# KiCad board JL.kicad_pcb (continued)
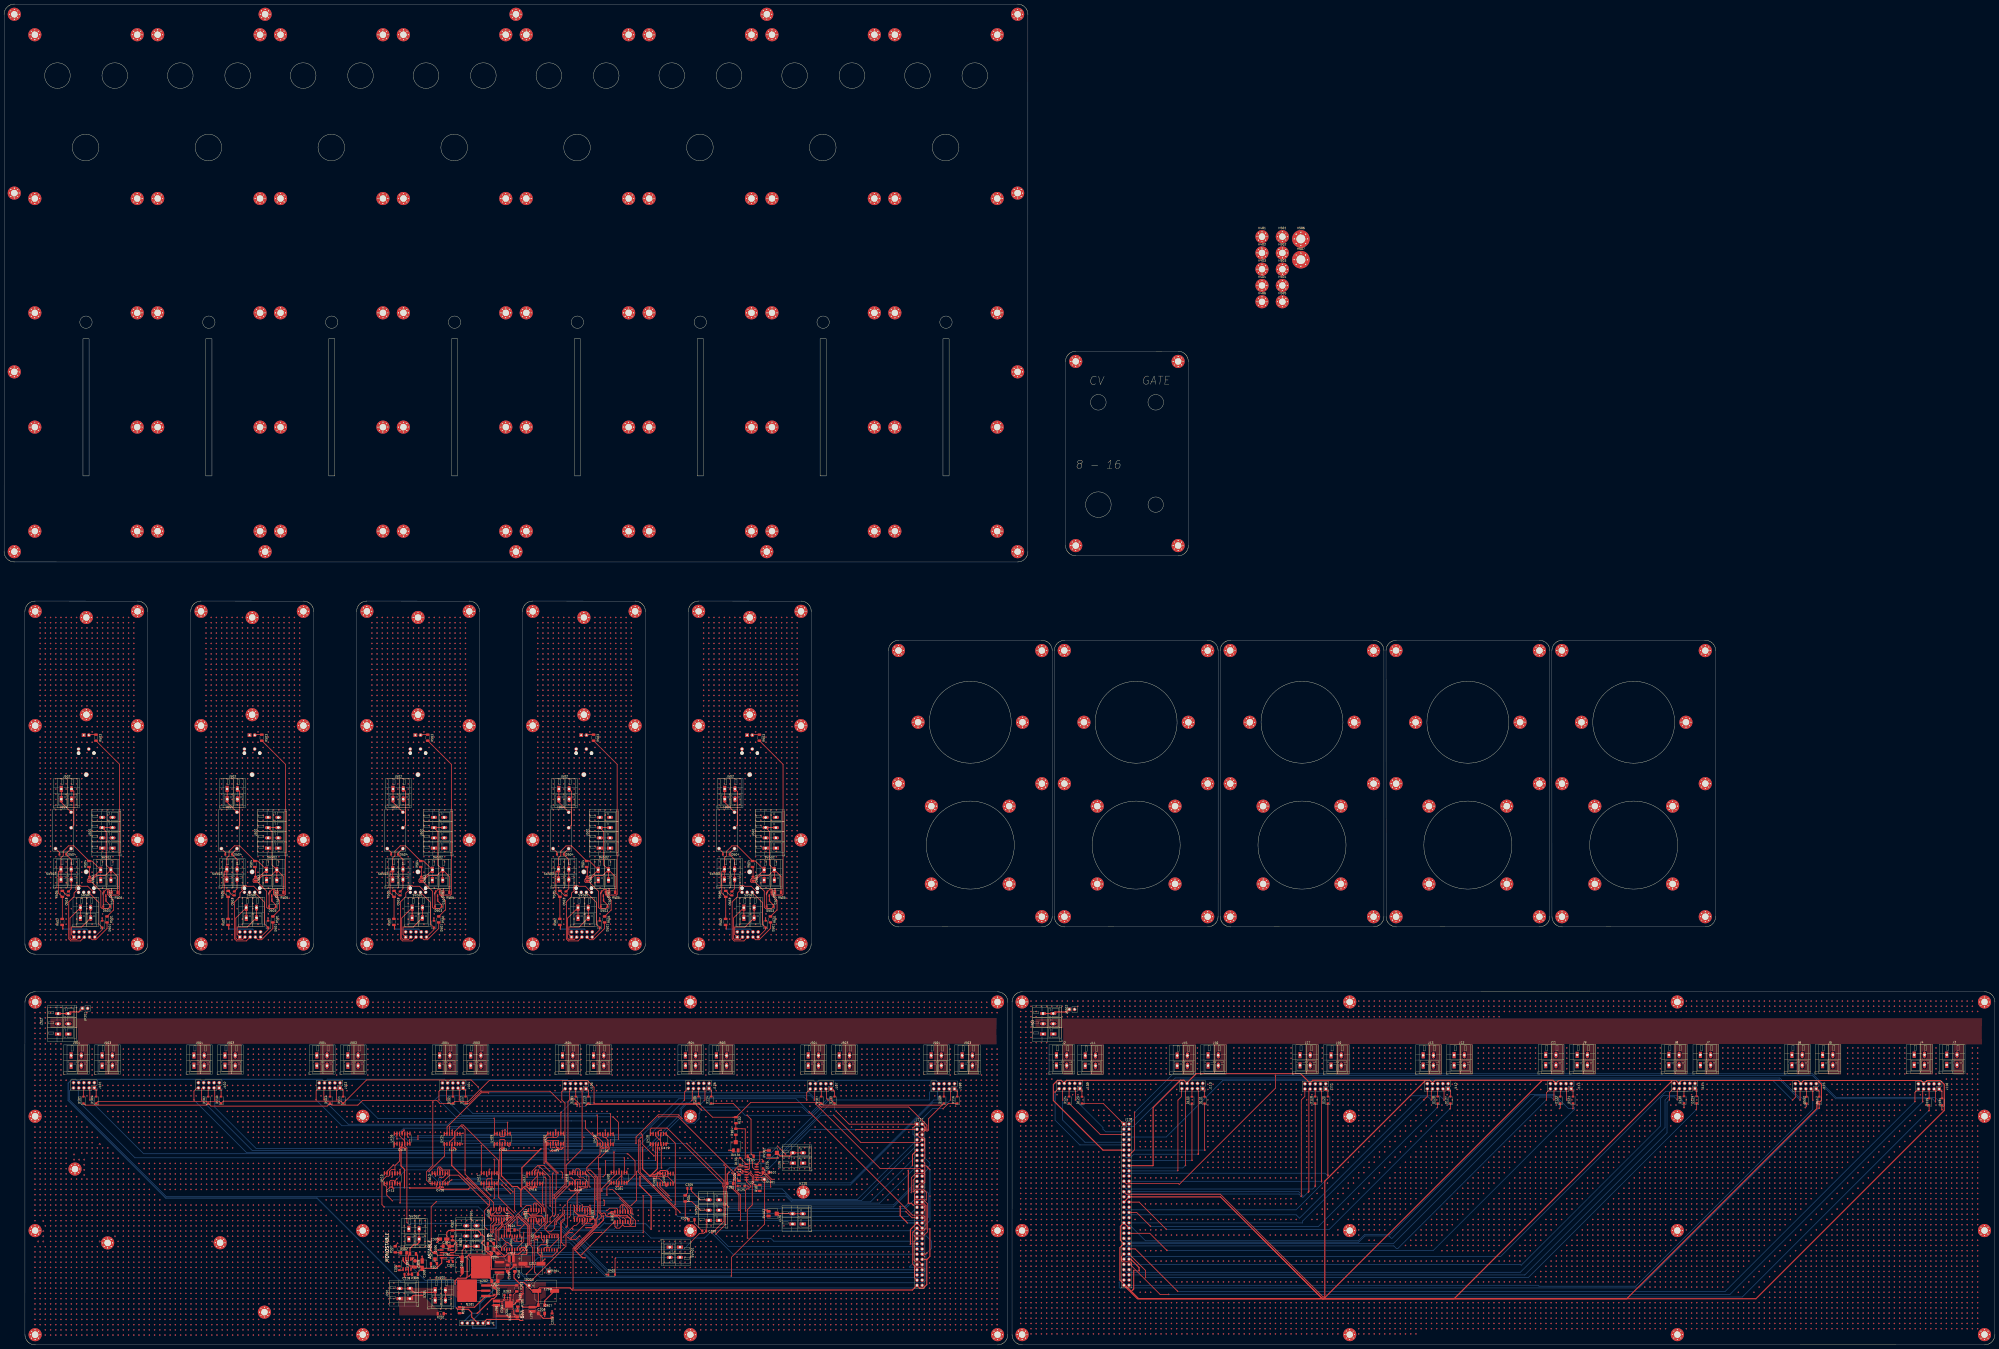
[diagram p0: board, top side]
## Routing (per net, layer and track width the routed paths; a pad name or vN(x,y) marks a point on that pad's centre or on a via; arc(x,y) is an arc through that point) (continued)
_RELAYS_0: length 71.7
  Top w0.349: R501#4.1 374.28,203.42 368.76,197.9 367.02,197.9 J501#2.7 ; R501#2.1 50.28,203.42 44.76,197.9 43.02,197.9 J501#4.7 ; R501#3.1 131.28,203.42 125.76,197.9 124.02,197.9 J501.7 ; J501#3.7 286.02,197.9 287.76,197.9 293.28,203.42 R501#5.1 ; J501#5.7 205.02,197.9 206.76,197.9 212.28,203.42 R501.1
CHAN_0: length 31.7
  Top w0.349: v4(317.12,81.43) 319.84,81.43 321.6,79.67 321.6,78.68 ; 301.64,82.65 301.64,79.18 ; 301.64,82.65 301.64,84.13 ; 301.64,82.65 301.39,82.65 299.1,80.36 299.1,79.18
  Bottom w0.349: v4(317.12,81.43) 302.59,81.43 v4(301.64,82.38)
CHAN_1: length 99.8
  Top w0.349: v4(280.77,74.76) 279.83,73.82 279.83,66.13 279.83,68.11 v4(279.87,68.15) ; v4(291.89,75.15) 291.89,76.37 299.05,83.52 U408.12 ; 299.1,84.13 299.1,83.51 ; v4(248.47,74.76) v4(245.12,78.11) 242.1,81.13 242.1,100.13 242.37,100.4 244.12,100.4 244.64,99.88 244.64,98.18
  Bottom w0.349: v4(248.47,74.76) v4(280.77,74.76) 281.16,75.15 v4(291.89,75.15)
CHAN_2: length 109.7
  Top w0.3: 242.1,103.13 242.1,102.15 242.5,101.75 244.24,101.75 244.64,102.15 244.64,103.13
  Top w0.349: 244.64,103.13 244.62,103.15 v4(244.62,105.11) ; v4(278.62,62.65) 278.62,61.24 278.56,61.18 ; v4(288.37,63.65) 288.37,81.29 284.59,85.06 284.59,86.65 291.04,93.1 291.04,96.36 291.22,96.36 292.36,97.49 U410.3 292.36,98.98 289.99,101.34 289.27,101.34 287.37,103.24 v4(287.37,103.65) 287.39,103.65 ; 292.35,98.18 292.35,98.7
  Bottom w0.349: v4(278.62,62.65) 278.84,62.88 287.59,62.88 v4(288.37,63.65) ; v4(287.37,103.65) 246.07,103.65 v4(244.62,105.11)
CHAN_3: length 63.9
  Top w0.349: U410.10 294.9,101.98 294.24,101.32 293.64,101.32 ; 294.89,97.66 294.89,100.07 293.64,101.32 ; 293.64,101.32 293.01,101.32 292.36,101.98 U410.12 ; 282.37,61.18 v4(282.37,59.15) ; 294.89,102.57 294.89,103.13 ; 292.35,102.61 292.35,103.13 ; U410.5 294.9,97.28 295.46,96.72 295.46,95.74 291.27,91.56 290.34,91.56 290.34,85.83 290.52,85.66 290.52,64.53 291.87,63.18 291.87,62.6 290.52,61.25
  Bottom w0.349: v3(290.57,61.25) 290.57,59.45 289.49,58.38 283.14,58.38 v4(282.37,59.15)
CHAN_4: length 106.8
  Top w0.349: v4(283.62,64.43) 283.64,64.45 283.64,66.13 ; v4(235.87,56.4) 234.56,57.71 234.56,65.58 237.14,68.16 237.14,70.57 226.28,81.43 v4(226.04,81.43) ; 235.6,78.93 235.6,80.63 236.12,81.15 238.12,81.15 ; 238.12,81.15 238.14,81.17 238.14,83.88 ; 238.12,81.15 238.14,81.13 238.14,78.93 ; v4(264.87,56.88) 264.87,57.31 270.62,63.06 v4(270.62,63.65)
  Bottom w0.349: 264.37,56.93 246.64,56.93 246.12,56.4 v4(235.87,56.4) ; 264.37,56.93 264.84,56.93 264.87,56.9 ; 264.37,56.93 264.82,56.93 v4(264.87,56.88) ; v4(226.04,81.43) v4(238.12,81.43) ; v4(270.62,63.65) 271.39,64.43 v4(283.62,64.43)
CHAN_5: length 94.8
  Top w0.3: 268.12,99.9 265.45,99.9 264.85,99.31 264.85,89.72 270.46,84.12 v4(270.46,83.92)
  Top w0.349: 270.64,98.18 270.64,99.88 270.62,99.9 268.12,99.9 268.12,99.17 268.1,99.15 268.1,98.18 ; 235.6,83.88 235.6,82.67 v4(235.87,82.4) ; 262.41,60.93 262.37,60.89 v4(262.37,59.15) ; v4(266.62,60.15) 266.62,62.03 267.84,63.26 267.84,83.65 v4(268.12,83.93)
  Bottom w0.3: v4(268.12,83.93) 268.12,83.92 v4(270.46,83.92)
  Bottom w0.349: v4(262.37,59.15) 263.37,60.15 v4(266.62,60.15) ; v4(235.87,82.4) 237.39,83.93 v4(268.12,83.93)
CHAN_6: length 114
  Top w0.349: 211.6,78.93 211.12,78.45 v3(211.12,77.4) ; 263.68,65.88 263.68,67.08 v4(254.35,76.4) 254.12,76.4 ; 268.1,101.42 265.64,101.42 264.28,100.07 264.28,89.49 269.62,84.15 v4(269.62,76.15) ; 268.1,101.42 268.21,101.31 269.79,101.31 270.64,102.15 270.64,104.1 ; 268.1,101.42 268.1,103.13
  Bottom w0.349: v4(269.62,76.15) 254.6,76.15 v4(254.35,76.4) 253.58,75.63 211.39,75.63 211.37,75.65 211.37,77.15 v3(211.12,77.4)
CHAN_7: length 70.2
  Top w0.349: U413.12 211.61,86.26 212.26,86.91 213.01,86.91 213.85,86.06 213.85,85.14 ; 213.85,85.14 214.12,85.4 217.62,85.4 217.62,82.93 ; 213.85,85.14 214.14,84.85 214.14,83.88 ; 217.62,82.93 214.14,79.45 214.14,78.93 ; 217.62,82.93 221.92,82.93 v4(236.37,68.49) ; v4(259.87,68.49) 259.87,65.88
  Bottom w0.349: v4(236.37,68.49) v4(259.87,68.49)
CHAN_8: length 166.3
  Top w0.349: 220.14,101.65 220.1,101.65 217.6,99.15 217.6,98.18 ; 220.14,101.65 220.14,98.18 220.14,99.15 ; 220.14,101.65 220.14,103.13 ; v4(248.9,64.69) 241.5,72.09 241.5,90.11 224.19,107.43 223.3,107.43 220.08,104.21 U414.10 ; v3(252.2,58.35) 252.2,58.33 250.56,58.33 250.56,61.71 v3(250.16,62.11) ; v4(259.77,56.16) 258.62,57.31 v4(258.62,59.43) 258.6,59.45 258.6,60.93 ; v4(281.12,53.15) 280.87,53.15 279.09,51.38 276.55,51.38 v4(275.44,52.48)
  Bottom w0.349: v4(259.77,56.16) 260.07,55.86 272.07,55.86 v4(275.44,52.48) ; v4(248.9,64.69) 250.16,63.43 v3(250.16,62.11) ; v3(252.2,58.35) 252.49,58.35 253.2,59.06 253.2,59.33 253.3,59.43 v4(258.62,59.43) ; SW401.1 286.5,47.77 v4(281.12,53.15)
CHAN_9: length 98.7
  Top w0.349: 217.6,103.13 217.6,106.63 v4(217.62,106.65) ; 239.08,66.38 239.08,69.48 225.12,83.44 v4(225.12,85.4) 225.12,105.15 v4(223.62,106.65) ; v4(191.87,81.15) 190.89,80.17 190.89,78.93 190.89,79.63 190.12,80.4 188.85,80.4 188.35,79.9 188.35,78.93
  Bottom w0.349: v4(191.87,81.15) 196.22,85.51 225.01,85.51 v4(225.12,85.4) ; v4(223.62,106.65) v4(217.62,106.65)
CHAN_10: length 93.9
  Top w0.349: 190.89,82.9 190.89,85.65 ; 237.81,61.43 237.08,62.15 v4(236.87,62.15) ; v4(185.62,67.4) 184.53,68.49 184.53,80.22 186.72,82.41 187.85,82.41 188.35,82.9 188.35,84.85 189.15,85.65 190.89,85.65 ; 190.89,85.65 190.89,87.58 193.1,89.79 193.1,98.18
  Bottom w0.349: v4(236.87,62.15) 231.62,67.4 v4(185.62,67.4)
CHAN_11: length 98.2
  Top w0.3: v4(196.94,59.65) 196.7,59.89
  Top w0.349: 195.64,103.13 195.64,98.18 ; 193.1,103.13 193.1,102.15 195.64,99.61 195.64,98.18 ; 195.64,98.18 195.64,97.19 196.7,96.12 196.7,59.89 ; v4(241.62,59.65) 241.62,61.43
  Bottom w0.349: v4(241.62,59.65) 241.62,59.49 240.56,58.43 232.86,58.43 231.93,59.36 198.71,59.36 197.97,58.62 v4(196.94,59.65)
CHAN_12: length 76.2
  Top w0.349: v4(260.87,85.4) 260.87,84.36 260.39,83.88 260.39,82.65 ; 257.85,78.93 257.85,79.9 260.39,82.44 260.39,82.65 ; 260.39,82.65 260.39,78.93 ; v4(291.12,86.15) 291.12,64.78 291.92,63.98 292.17,63.98 292.62,64.43 293.26,64.43 293.72,63.98 293.72,63.33 294.12,62.93 294.66,62.93 294.93,62.65 299.6,62.65 300.85,61.4 300.85,60.43
  Bottom w0.349: v4(260.87,85.4) 261.62,86.15 v4(291.12,86.15)
CHAN_13: length 81.6
  Top w0.3: v3(307.12,60.65) 307.12,59.47 306.12,58.48 305.63,58.48 304.66,59.45 304.66,60.43
  Top w0.349: v4(278.87,76.15) 278.87,78.91 278.85,78.93 ; v4(295.87,75.88) 297.21,75.88 306.65,66.44 306.65,64.34 v3(307.12,63.87) ; 281.39,78.93 281.39,80.63 281.12,80.9 279.37,80.9 278.85,80.38 278.85,78.93 ; v4(266.37,84.9) 263.59,87.68 260.67,87.68 257.85,84.85 257.85,83.88 ; v4(272.12,84.65) 272.62,84.15 v4(272.62,81.65) ; 278.85,78.93 278.85,79.9 277.1,81.65 v4(276.87,81.65)
  Bottom w0.3: v3(307.12,60.65) v3(307.12,63.87) 306.7,64.29
  Bottom w0.349: v4(272.12,84.65) 271.87,84.9 v4(266.37,84.9) ; v4(276.87,81.65) v4(272.62,81.65) ; v4(278.87,76.15) 279.27,75.75 284.36,75.75 284.54,75.93 295.82,75.93 v4(295.87,75.88)
CHAN_14: length 91.4
  Top w0.3: U418.12 278.81,85.28 279.56,86.03 280.66,86.03 281.35,85.34 U418.10 ; v3(289.17,70.87) 289.12,70.92 289.12,81.65 v3(288.37,82.4) ; 281.39,83.88 281.37,83.86 v3(281.37,82.4) ; 305.93,65.38 305.93,66.18 v3(300.75,71.35)
  Top w0.349: v3(292.52,82.15) 293.64,83.28 v3(293.64,90) ; v3(318.09,90.1) 318.14,90.15 318.14,98.14 318.1,98.18
  Bottom w0.3: v3(300.75,71.35) 300.7,71.4 289.7,71.4 v3(289.17,70.87) ; v3(288.37,82.4) v3(281.37,82.4)
  Bottom w0.349: v3(292.52,82.15) 288.62,82.15 v3(288.37,82.4) ; v3(293.64,90) 293.74,90.1 v3(318.09,90.1)
CHAN_15: length 58.6
  Top w0.349: 320.64,100.15 320.64,103.13 ; 320.64,100.15 320.64,98.18 320.94,97.88 320.94,86.58 v4(321.12,86.4) ; 320.64,100.15 320.1,100.15 318.1,102.15 318.1,103.13 ; v4(302.12,67.9) 302.12,65.38 ; v4(306.37,68.15) 308.89,70.68 v4(308.89,84.65)
  Bottom w0.349: v4(302.12,67.9) 302.37,68.15 v4(306.37,68.15) ; v4(308.89,84.65) 310.64,86.4 v4(321.12,86.4)
CLK: length 188.8
  Top w0.349: U2.1 U2.2 ; v4(355.19,33.67) 355.19,42.8 371.29,58.9 TP401.1 ; 367.61,80.56 370.94,80.56 TP401.1 ; U404.14 249.35,45.17 v4(249.37,45.15) ; TP401.1 371.3,80.92 ; TP401.1 370.36,81.83 367.61,81.83 ; v3(376.07,80.9) 374.86,80.9 371.48,84.29 371.48,85.42 D126.1 370.34,86.55
  Bottom w0.349: TP401.1 v3(376.07,80.9) ; v4(355.19,33.67) 355.15,33.63 293.55,33.63 286.19,40.98 286.19,41.23 282.27,45.15 v4(249.37,45.15)
CLOCK: length 58.4
  Top w0.3: R305.2 333.25,62.17 332.64,62.17
  Top w0.349: v4(354.62,77.43) 358.87,73.18 v4(358.87,65.65) ; SW301.2 340.01,65.83 335.75,70.09 R304.2 332.64,62.17 ; v4(359.62,77.65) D125.2
  Bottom w0.349: 358.62,65.9 v4(358.87,65.65) 358.69,65.83 SW301.2 SW301.2 ; v4(354.62,77.43) 358.09,77.43 358.12,77.4 358.37,77.65 v4(359.62,77.65)
CV_0: length 297.4
  Top w0.349: v4(294.37,73.15) 294.37,76.99 296.56,79.18 297.83,79.18
  Bottom w0.349: v4(294.37,73.15) 289.37,73.15 288.62,72.4 79.23,72.4 31.98,119.65 31.98,124.13 33.71,125.86
CV_1: length 234.2
  Top w0.349: v4(297.87,94.18) 297.83,94.14 297.83,84.13 296.56,84.13 ; v4(92.73,119.65) 92.73,123.97 94.62,125.86
  Bottom w0.349: v4(92.73,119.65) 118.38,94 297.69,94 v4(297.87,94.18)
CV_2: length 113.3
  Top w0.349: 152.38,119.65 152.38,124.12 154.12,125.86 ; v4(245.87,108.65) 245.91,108.61 245.91,103.13 247.18,103.13
  Bottom w0.349: v4(245.87,108.65) 218.52,108.65 216.92,107.05 164.98,107.05 152.38,119.65 v4(152.38,119.83)
CV_3: length 114.7
  Top w0.349: 214.12,125.61 212.38,123.87 v3(212.38,119.65) ; v3(296.12,100.33) 296.16,100.29 296.16,98.18 297.43,98.18 ; v3(300.12,100.4) 300.12,108.65 v4(297.34,111.43)
  Bottom w0.349: v4(297.34,111.43) 220.6,111.43 v3(212.38,119.65) ; v3(296.12,100.33) 296.19,100.4 v3(300.12,100.4)
CV_4: length 95.2
  Top w0.349: 233.06,78.93 234.33,78.93 ; 234.33,78.93 234.37,78.89 ; 234.33,78.93 234.33,76.44 v4(237.59,73.18) ; v4(268.62,73.18) 273.9,78.46 273.9,118.13 272.38,119.65 272.38,123.71 274.07,125.4
  Bottom w0.349: v4(268.62,73.18) v4(237.59,73.18)
CV_5: length 130
  Top w0.3: 332.38,119.65 v4(332.15,119.43)
  Top w0.349: 332.38,119.65 332.38,123.62 334.12,125.36 ; 234.33,83.88 233.06,83.88 233.06,97.34 v4(233.12,97.4)
  Bottom w0.349: v4(233.12,97.4) 233.34,97.63 310.35,97.63 v4(332.15,119.43) 332.38,119.65
CV_6: length 142
  Top w0.349: v4(272.12,113.75) 271.91,113.54 271.91,103.13 273.18,103.13 ; 394.01,125.36 391.98,123.33 v4(391.98,119.65)
  Bottom w0.349: v4(391.98,119.65) 390.55,121.08 279.62,121.08 272.29,113.75 v4(272.12,113.75)
CV_7: length 260.9
  Top w0.349: 215.41,78.93 216.68,78.93 218.4,80.65 v4(218.62,80.65)
  Bottom w0.349: v4(218.62,80.65) 367.89,80.65 377.34,90.11 377.34,91.73 405.27,119.65 451.98,119.65 451.98,123.47 453.87,125.36
CV_8: length 55
  Top w0.349: 513.19,123.51 515.04,125.36
  Bottom w0.349: 546.87,97.7 525.45,97.7 525.4,97.65 513.29,109.76 513.29,119.3
  Bottom w0.5: v1(513.28,123.51) 513.29,123.5 513.29,119.3
CV_9: length 64.8
  Top w0.349: 575.04,125.36 575.04,121.33 573.26,119.55 573.26,85.26 573.15,85.15
  Bottom w0.349: 549.41,85 573,85 573.11,85.11 v1(573.11,85.15) 573.14,85.15 573.15,85.15
CV_10: length 141.5
  Top w0.349: 633.4,72.4 v1(633.51,72.51) 633.51,119.65 635.22,121.36 635.22,125.36
  Bottom w0.349: 546.87,72.3 548.26,73.7 548.78,73.7 548.88,73.61 549.93,73.61 550.03,73.7 632.32,73.7 v1(633.51,72.51)
CV_11: length 175.8
  Top w0.349: 695.04,125.36 695.04,121.38 693.31,119.65
  Bottom w0.349: 549.41,59.6 634.1,59.6 634.15,59.65 634.15,60.49 693.31,119.65 693.35,119.65 v1(693.36,119.65) 693.36,119.65 693.4,119.65
CV_12: length 244.1
  Top w0.349: 755.3,125.26 753.21,123.17 753.21,119.65
  Bottom w0.349: 546.87,46.9 548.31,48.35 548.73,48.35 548.88,48.21 549.93,48.21 550.08,48.35 678.7,48.35 679.9,47.15 680.71,47.15 753.15,119.6 v1(753.21,119.6) 753.21,119.65
CV_13: length 315.5
  Top w0.349: 815.3,125.26 813.31,123.27 813.31,119.75
  Bottom w0.3: 550.44,34.23 549.43,34.23 549.41,34.2
  Bottom w0.349: 813.31,119.75 813.26,119.7 v1(813.26,119.7) 813.25,119.7 812.14,118.58 812.14,103.64 742.65,34.15 742.6,34.2 549.41,34.2
CV_14: length 348.9
  Top w0.349: 873.41,119.55 874.97,121.11 874.97,125.26
  Bottom w0.349: 546.87,100.24 548.17,101.55 567.54,101.55 595.17,129.17 863.79,129.17 873.36,119.6 v1(873.41,119.6) 873.41,119.55
CV_15: length 438
  Top w0.349: 573.15,26.15 573.15,26.15 v1(573.11,26.15) 573.11,26.19 552.4,46.9 549.41,46.9 ; 935,125.16 933.21,123.37 933.21,118.8
  Bottom w0.349: 573.15,26.15 840.56,26.15 933.21,118.8 v1(933.16,118.85) 933.21,118.9
CV_CommonChannelOutput: length 596.5
  Top w0.349: J117.56 447.11,40.51 445.31,40.51 444.37,41.45 444.37,50.47 J117.45 444.57,53.21 448.91,53.21 450.85,55.16 450.85,69.05 448.91,70.99 445.15,70.99 444.56,70.4 ; R102.1 345.95,111.23 D106.1 ; R102.1 364.64,118.43 398.65,118.43 D107.1 399.95,117.13 458.1,117.13 ; R102.1 356.04,111.23 ; 444.56,70.4 444.56,73.53 J117.27 ; 444.56,70.4 444.56,69.2 445.31,68.45 448.91,68.45 449.65,67.71 449.65,65.92 J117.36 ; 449.65,83.33 449.65,88.77 J117.16 449.65,91.32 449.65,100.73 448.91,101.47 447.11,101.47 J117.5 447.11,104.01 448.91,104.01 449.65,104.76 449.65,106.55 J117.2 449.89,106.31 449.89,104.96 450.35,104.51 450.99,104.51 451.44,104.96 451.44,110.47 458.1,117.13 ; 449.65,83.33 449.28,83.7 445.31,83.7 445.22,83.79 443.06,81.63 v4(443.06,74.43) ; 449.65,83.33 449.65,79.36 448.91,78.61 447.11,78.61 J117.25 ; 458.1,117.13 D108.1 458.56,118 ; v4(279.87,116.65) 279.87,117.31 D105.1 ; 339.12,117.94 D106.1 ; D106.1 288.27,118 v4(288.12,118.15) 288.12,125.86 284.76,129.21 236.98,129.21 226.64,118.88 220.05,118.88 D104.1 212.77,118 211.34,119.43 175.05,119.43 172.75,117.13 160.05,117.13 D103.1 157.83,116.65 101.03,116.65 D102.1 98.8,117.13 39.65,117.13 D101.1
  Bottom w0.349: J117.27 443.43,74.8 v4(443.06,74.43) ; v4(279.87,116.65) 281.37,118.15 v4(288.12,118.15)
CV_OUT: length 14
  Top w0.3: J119.2 J119.2
  Top w0.5: J119.2 383.69,92.3 378.94,92.3 RV102.2
CV_OUTPUT_0: length 4.6
  Top w0.349: D101.2 38.78,125.85 38.79,125.86
CV_OUTPUT_1: length 4.6
  Top w0.349: 99.7,125.86 99.68,125.84 D102.2
CV_OUTPUT_2: length 4.6
  Top w0.349: D103.2 159.18,125.84 159.2,125.86
CV_OUTPUT_3: length 4.3
  Top w0.349: 219.2,125.61 219.18,125.59 D104.2
CV_OUTPUT_4: length 4.1
  Top w0.349: D105.2 279.18,125.37 279.15,125.4
CV_OUTPUT_5: length 4.1
  Top w0.349: 339.2,125.36 339.18,125.34 D106.2
CV_OUTPUT_6: length 4.1
  Top w0.349: 399.09,125.36 399.08,125.35 D107.2
CV_OUTPUT_7: length 4.1
  Top w0.349: 458.95,125.36 458.98,125.33 D108.2
CV_OUTPUT_8: length 4.1
  Top w0.349: 520.12,125.36 520.11,125.35 520.11,121.3
CV_OUTPUT_9: length 4.2
  Top w0.349: 580.11,121.2 580.11,125.35 580.12,125.36
CV_OUTPUT_10: length 4.1
  Top w0.349: 640.31,121.3 640.31,125.35 640.3,125.36
CV_OUTPUT_11: length 4.1
  Top w0.349: 700.11,121.3 700.11,125.35 700.12,125.36
CV_OUTPUT_12: length 4.1
  Top w0.349: 760.38,125.26 760.01,124.89 760.01,121.3
CV_OUTPUT_13: length 3.9
  Top w0.349: 820.38,125.26 820.41,125.23 820.41,121.4
CV_OUTPUT_14: length 4.1
  Top w0.349: 880.21,121.2 880.21,125.1 880.05,125.26
CV_OUTPUT_15: length 4.8
  Top w0.349: 940.11,120.4 940.11,125.13 940.08,125.16
EARTH-2: length 13.7
  Top w0.5: 507.38,161.84 512.38,161.84 513.17,162.64 519.03,162.64 520.25,163.85
Earth_Protective: length 12.9
  Top w0.5: JP201.1 36.47,162.64 32.14,162.64 J202.3 J202.3
GATE: length 12.7
  Top w0.3: J120.2 J120.2
  Top w0.349: J120.2 384.99,64.12 RV103.2
GATE_0: length 298.6
  Top w0.349: v4(304.37,93.4) 304.62,93.4 308.12,89.9 308.12,83.12 304.18,79.18 302.91,79.18 ; 41.33,125.86 41.88,125.31 v4(41.88,119.65)
  Bottom w0.349: v4(304.37,93.4) 68.13,93.4 v4(41.88,119.65) 41.87,119.65
GATE_1: length 158
  Top w0.349: 102.24,125.86 102.88,125.22 v4(102.88,119.65) ; 240.83,98.18 239.56,98.18 239.37,97.99 v4(239.37,96.65)
  Bottom w0.349: v4(239.37,96.65) 239.32,96.6 195.33,96.6 194.63,95.9 123.12,95.9 102.88,116.14 v4(102.88,119.65)
GATE_2: length 96.2
  Top w0.349: 240.83,103.13 239.56,103.13 239.56,110.46 v4(239.37,110.65) ; 162.38,119.65 162.38,125.22 161.74,125.86
  Bottom w0.349: v4(239.37,110.65) 182.49,110.65 173.49,119.65 162.38,119.65 v4(162.38,119.83)
GATE_3: length 93.9
  Top w0.349: 297.43,103.13 296.16,103.13 296.16,112.86 v4(296.12,112.9) ; v3(222.28,119.65) 222.28,125.07 221.74,125.61
  Bottom w0.349: v4(296.12,112.9) 296.04,112.98 228.95,112.98 v3(222.28,119.65)
GATE_4: length 97.8
  Top w0.349: 281.69,125.4 282.28,124.81 282.28,95.56 274.5,87.79 274.5,77.51 274.05,77.51 268.62,72.08 v4(268.62,71.63) ; 240.68,78.93 239.41,78.93 239.41,71.67 v4(239.37,71.63)
  Bottom w0.349: v4(268.62,71.63) v4(239.37,71.63)
GATE_5: length 98.2
  Top w0.3: 342.28,119.65 v4(341.95,119.33)
  Top w0.349: 341.74,125.36 342.28,124.82 342.28,119.65 ; v4(266.87,96.4) 266.87,98.14 266.83,98.18 265.56,98.18
  Bottom w0.349: 342.28,119.65 v4(341.95,119.33) 340.25,117.63 333.25,117.63 330.76,115.14 330.76,111.49 313.97,94.7 298.44,94.7 298.19,94.95 297.55,94.95 297.3,94.7 268.57,94.7 v4(266.87,96.4)
GATE_6: length 174.4
  Top w0.349: v4(263.87,88.65) 263.68,88.84 263.68,101.26 265.56,103.13 266.83,103.13 ; 401.63,125.36 401.63,120.4 402.38,119.65
  Bottom w0.3: 402.38,119.65 v4(402.5,119.53)
  Bottom w0.349: v4(263.87,88.65) 371.88,88.65 402.38,119.15 402.38,119.65
GATE_7: length 281.4
  Top w0.349: 216.68,83.88 215.41,83.88 215.41,82.9 214.33,81.83 v4(212.79,81.83) ; 461.49,125.36 462.18,124.67 v4(462.18,119.65)
  Bottom w0.349: v4(462.18,119.65) 460.75,118.23 453.41,118.23 413.34,78.15 391.89,78.15 391.74,78.31 388.74,78.31 388.59,78.15 360.21,78.15 359.49,78.88 213.54,78.88 212.09,80.33 212.09,81.13 v4(212.79,81.83)
GATE_8: length 39.6
  Top w0.349: 523.21,119.65 523.21,124.81 522.66,125.36
  Bottom w0.3: 523.21,119.65 v1(523.21,119.65) 523.21,119.65 523.51,119.35
  Bottom w0.349: 549.41,105.32 548.17,104.09 537.96,104.09 536.65,105.4 536.65,106.21 523.51,119.35
GATE_9: length 70
  Top w0.349: 583.15,93.15 583.16,93.16 v1(583.16,93.2) 583.19,93.2 583.21,93.21 583.21,124.81 582.66,125.36
  Bottom w0.349: 546.87,92.62 548.1,91.39 549.97,91.39 551.74,93.15 583.15,93.15
GATE_10: length 139.9
  Top w0.349: 642.84,125.36 643.41,124.79 643.41,80.5
  Top w0.5: 643.4,79.9 643.41,79.91 643.41,80.5
  Bottom w0.349: 643.4,79.9 643.38,79.92 549.41,79.92
  Bottom w0.5: 643.38,79.92 643.38,79.74 v1(643.37,79.73)
GATE_11: length 186.9
  Top w0.349: 702.66,125.36 703.21,124.81 703.21,119.65
  Bottom w0.349: 546.87,67.22 548.1,65.99 630.98,65.99 686.67,121.68 701.18,121.68 703.26,119.6 v1(703.21,119.6) 703.21,119.65
GATE_12: length 261.4
  Top w0.349: 567.9,46.15 559.53,54.52 549.41,54.52 ; 762.92,125.26 763.11,125.07 763.11,119.65
  Bottom w0.349: 763.11,119.65 v1(763.11,119.6) 763.16,119.6 766.92,115.84 766.92,115.08 697.99,46.15 567.91,46.15 v1(567.91,46.15) 567.9,46.15 567.9,46.15
GATE_13: length 311.1
  Bottom w0.349: 546.87,41.82 548.34,43.3 548.7,43.3 548.88,43.13 730.78,43.13 811.38,123.73 821.82,123.73 823.26,125.16
GATE_14: length 380.4
  Top w0.349: 882.59,125.26 883.31,124.54 883.31,119.55
  Bottom w0.349: 883.31,119.55 v1(883.31,119.55) 883.31,115.08 796.88,28.65 749.65,28.65 749.18,29.12 549.41,29.12
GATE_15: length 434.8
  Top w0.349: 942.62,125.16 943.21,124.57 v1(943.21,118.8) 943.21,118.75 ; 546.87,79.92 548.1,78.69 549.93,78.69 550.1,78.85 573.45,78.85 573.9,78.4 620.9,125.4 620.9,131.2
  Top w0.5: 620.9,131.2 v1(620.9,131.65)
  Bottom w0.349: v1(620.9,131.65) 883.08,131.65 894.5,120.23 941.73,120.23 943.21,118.75
GATE_CommonChannelOutput: length 631.7
  Top w0.349: v4(362.87,112.15) 364.79,110.23 364.79,93.4 R103.1 ; v4(271.87,118.65) 266.59,123.93 v4(232.95,123.93) 227.02,118 D112.1 ; 448.91,37.97 445.31,37.97 444.37,38.91 ; 444.37,38.91 444.56,38.72 444.56,32.9 J117.61 ; 444.37,38.91 443.77,39.51 v4(443.77,54.96) J117.41 447.11,55.75 448.97,55.75 450.25,57.04 450.25,68.02 448.55,69.72 J117.32 ; v4(406.37,114.15) 412.7,107.82 J117.1 445.63,107.82 v4(443.87,106.06) ; J117.21 443.96,80.55 443.96,74.73 445.31,76.07 448.91,76.07 450.37,74.62 v4(450.37,70.9) ; v4(281.12,116.4) 281.12,117.58 278.55,120.15 v4(277.12,120.15) ; v4(340.62,114.65) 337.89,117.38 286,117.38 D113.1 285.22,118 v4(284.12,116.9) ; v4(359.12,114.9) 356.02,118 D114.1 ; v4(458.62,115.4) 461.22,118 D116.1 ; v4(450.66,44.93) 450.05,44.32 J117.52 449.65,43.05 ; v4(231.62,125.9) 228.1,129.42 177,129.42 D111.1 164.53,119.06 107.03,119.06 D110.1 105.1,118.88 45.85,118.88 D109.1 ; v4(403.87,120.4) 403.87,119.71 v4(405.58,118)
  Bottom w0.3: 450.36,53.22 444.46,53.22
  Bottom w0.349: v4(458.62,115.4) 453.42,115.4 J117.1 ; v4(406.37,114.15) 405.58,114.94 v4(405.58,118) ; v4(284.12,116.9) 283.62,116.4 v4(281.12,116.4) ; v4(450.37,70.9) 449.56,70.9 J117.32 ; v4(403.87,120.4) 402.28,120.4 394.03,112.15 v4(362.87,112.15) 361.87,112.15 v4(359.12,114.9) 358.87,114.65 v4(340.62,114.65) ; v4(232.95,123.93) 231.62,125.26 v4(231.62,125.9) ; 444.46,53.22 443.77,53.92 v4(443.77,54.96) ; J117.21 447.11,83.69 448.91,83.69 451.12,85.9 451.12,86.65 452.12,87.65 452.12,88.84 J117.14 J117.12 449.65,96.4 449.65,100.73 448.91,101.47 445.31,101.47 443.87,102.91 v4(443.87,106.06) ; v4(271.87,118.65) 275.62,118.65 v4(277.12,120.15) ; 450.36,53.22 452.89,50.7 452.89,47.16 v4(450.66,44.93)
GATE_OUTPUT_0: length 5
  Top w0.349: 43.87,125.86 44.98,124.75 D109.2
GATE_OUTPUT_1: length 5.1
  Top w0.349: 104.78,125.86 105.98,124.66 D110.2
GATE_OUTPUT_2: length 5.1
  Top w0.349: D111.2 165.58,124.56 164.28,125.86
GATE_OUTPUT_3: length 4.8
  Top w0.349: D112.2 225.38,124.51 224.28,125.61
GATE_OUTPUT_4: length 4.6
  Top w0.349: 284.23,125.4 285.38,124.25 D113.2
GATE_OUTPUT_5: length 4.5
  Top w0.349: D114.2 345.38,124.26 344.28,125.36
GATE_OUTPUT_6: length 4.6
  Top w0.349: D115.2 405.58,123.95 404.17,125.36
GATE_OUTPUT_7: length 4.7
  Top w0.349: D116.2 465.48,123.91 464.03,125.36
GATE_OUTPUT_8: length 4.7
  Top w0.349: 525.2,125.36 526.41,124.15 526.41,121.2
GATE_OUTPUT_9: length 4.6
  Top w0.349: 586.31,121.2 586.31,124.25 585.2,125.36
GATE_OUTPUT_10: length 4.5
  Top w0.349: 645.38,125.36 646.51,124.23 646.51,121.3
GATE_OUTPUT_11: length 4.5
  Top w0.349: 705.2,125.36 706.31,124.25 706.31,121.3
GATE_OUTPUT_12: length 4.3
  Top w0.349: 766.21,121.3 766.21,124.51 765.46,125.26
GATE_OUTPUT_13: length 4.3
  Top w0.349: 825.46,125.26 826.61,124.11 826.61,121.4
GATE_OUTPUT_14: length 4.6
  Top w0.349: 886.41,121.2 886.41,123.98 885.13,125.26
GATE_OUTPUT_15: length 5.3
  Top w0.349: 946.41,120.4 946.41,123.91 945.16,125.16
RELAYS_0: length 293.5
  Top w0.349: 304.18,84.13 302.91,84.13 302.91,91.36 v4(302.87,91.4)
  Bottom w0.349: 36.07,119.26 63.93,91.4 v4(302.87,91.4) ; 36.25,125.86 36.25,119.78 35.9,119.43 ; 36.02,119.65 36.07,119.61
RELAYS_1: length 171.2
  Top w0.349: 97.16,125.86 96.48,125.18 v4(96.48,119.65) ; v3(246.62,96.9) 245.91,97.61 245.91,98.18 247.18,98.18 247.12,98.12
  Bottom w0.349: v3(246.62,96.9) 246.62,95.9 245.67,94.95 121.18,94.95 v4(96.48,119.65)
RELAYS_2: length 154.7
  Top w0.349: 291.08,98.18 289.81,98.18 289.81,99.96 283.87,105.9 v4(283.87,109.4) ; 156.66,125.86 156.18,125.38 v4(156.18,119.83)
  Bottom w0.349: 276.87,109.43 277.09,109.43 277.12,109.4 ; 276.87,109.43 218.45,109.43 216.8,107.78 168.05,107.78 156.18,119.65 ; 276.87,109.43 283.84,109.43 v4(283.87,109.4)
RELAYS_3: length 93.4
  Top w0.349: 216.66,125.61 216.08,125.03 v3(216.08,119.65) ; v4(289.62,112.2) 289.81,112.01 289.81,103.13 291.08,103.13
  Bottom w0.349: v3(216.08,119.65) 223.7,112.03 289.44,112.03 v4(289.62,112.2)
RELAYS_4: length 79.6
  Top w0.349: v4(275.37,90.4) 275.37,118.94 276.08,119.65 276.08,124.87 276.61,125.4 ; 240.68,83.88 239.41,83.88 239.41,90.59 v4(239.37,90.63)
  Bottom w0.349: v4(275.37,90.4) 239.59,90.4 v4(239.37,90.63)
RELAYS_5: length 86.1
  Top w0.3: 336.08,119.65 v4(335.75,119.33)
  Top w0.349: v4(271.87,96.4) 271.87,98.14 271.91,98.18 273.18,98.18 ; 336.66,125.36 336.08,124.78 336.08,119.65
  Bottom w0.349: 336.08,119.65 v4(335.75,119.33) 334.65,118.23 333,118.23 330.16,115.38 330.16,112.54 312.92,95.3 298.68,95.3 298.44,95.55 297.3,95.55 297.05,95.3 272.97,95.3 v4(271.87,96.4)
RELAYS_6: length 239
  Top w0.3: 207.87,78.9 206.34,80.43 206.34,84.63
  Top w0.349: 210.33,78.93 207.89,78.93 ; 207.89,78.93 207.87,78.9 ; 207.89,78.93 207.84,78.93 ; 396.55,125.36 395.88,124.69 395.88,119.65 395.84,119.62 v4(395.67,119.62) ; v4(209.37,118.65) 209.37,87.65 206.34,84.63
  Bottom w0.349: 395.88,119.65 393.85,121.68 212.39,121.68 209.37,118.66 v4(209.37,118.65)
RELAYS_7: length 274.8
  Top w0.349: 210.33,83.88 210.62,83.59 v3(210.62,82.4) ; 210.33,83.88 210.33,83.19 ; 210.33,83.88 209.06,83.88
  Bottom w0.349: v3(210.62,82.4) 210.81,82.6 213.11,82.6 213.56,82.15 213.56,81.35 212.87,80.65 214.04,79.48 359.73,79.48 360.06,79.15 413.49,79.15 453.99,119.65 455.78,119.65 455.78,124.73 456.41,125.36
RELAYS_8: length 53.4
  Top w0.349: 516.86,119.65 516.86,124.64 517.58,125.36
  Bottom w0.349: 516.86,119.65 516.86,119.65 v1(516.96,119.55) 516.86,119.45 516.86,109.94 527.79,99.01 548.17,99.01 549.41,100.24
RELAYS_9: length 69.1
  Top w0.349: 576.9,87.65 576.89,87.65 v1(576.96,87.65) 576.96,87.71 577.01,87.76 577.01,124.79 577.58,125.36
  Bottom w0.349: 546.87,87.54 548.1,86.31 549.93,86.31 550.08,86.45 575.69,86.45 576.9,87.65
RELAYS_10: length 141.6
  Top w0.349: 637.21,75.35 637.21,124.81 637.76,125.36
  Top w0.5: 637.21,75.35 637.21,74.96 636.95,74.71 v1(636.95,74.62)
  Bottom w0.349: 637.15,74.9 634.28,72.04 634.28,72.84 632.27,74.84 549.41,74.84
RELAYS_11: length 182.7
  Top w0.349: 697.58,125.36 697.01,124.79 697.01,119.65
  Bottom w0.349: 697.01,119.65 v1(697.01,119.6) 697.06,119.6 695.58,121.08 691.82,121.08 632.65,61.9 631,63.55 550.04,63.55 549.93,63.45 548.88,63.45 548.77,63.55 548.27,63.55 546.87,62.14
RELAYS_12: length 243.8
  Top w0.349: 757.84,125.26 756.91,124.33 756.91,119.65
  Bottom w0.349: 549.41,49.44 678.44,49.44 750.07,121.08 755.48,121.08 756.86,119.7 v1(756.86,119.7) 756.86,119.7 756.91,119.65
RELAYS_13: length 320.7
  Top w0.349: 817.11,119.75 817.11,124.53 817.84,125.26
  Bottom w0.3: 546.87,36.74 546.89,36.77
  Bottom w0.349: 817.11,119.75 v1(817.11,119.75) 817.11,119.75 815.68,121.18 812.72,121.18 811.15,119.61 811.15,106.15 740.47,35.47 550.26,35.47 550.08,35.65 549.93,35.51 548.1,35.51 546.87,36.74
RELAYS_14: length 350.5
  Top w0.349: 877.51,125.26 877.11,124.86 877.11,119.55
  Bottom w0.349: 877.11,119.55 877.06,119.6 v1(877.06,119.6) 877.06,119.6 866.89,129.77 574.6,129.77 551.46,106.63 548.17,106.63 546.87,105.32
RELAYS_15: length 448.3
  Top w0.349: 568.65,24.65 564.55,24.65 550.68,38.52 550.68,39.83 549.93,40.58 546.31,40.58 545.59,41.3 545.59,43.09 546.87,44.36 ; 937.54,125.16 937.01,124.63 937.01,118.8
  Bottom w0.349: 568.65,24.65 568.7,24.65 v1(568.71,24.65) 568.71,24.65 842.86,24.65 936.96,118.75 v1(936.96,118.8) 937,118.8 937.01,118.8
SECONDARY_5VA: length 2144.3
  Top w0.5: 757.84,127.8 759.18,129.15 816.49,129.15 ; 757.84,127.8 756.39,129.25 698.92,129.25 697.58,127.9 696.23,129.25 ; 757.84,127.8 756.49,129.15 751.09,129.15 644.5,22.55 ; 576.23,129.25 518.92,129.25 517.58,127.9 516.23,129.25 514.47,129.25 512.43,127.21 512.43,119.38 536.64,95.16 546.87,95.16 ; 576.23,129.25 577.58,127.9 582.18,132.5 633.16,132.5 637.76,127.9 639.1,129.25 696.23,129.25 ; 576.23,129.25 574.47,129.25 561.15,115.92 561.15,87.65 561.04,87.54 549.41,87.54 ; 550.49,26.13 554.07,22.55 792.45,22.55 885.31,115.41 885.31,118.45 885.81,118.95 887,118.95 887.51,119.45 887.51,127.33 885.69,129.15 878.85,129.15 ; 550.49,26.13 551.66,27.3 v1(551.66,36.35) ; 550.49,26.13 544.92,31.71 544.92,47.5 546.87,49.44 545.15,51.16 545.15,57.91 J118.39 ; 878.85,129.15 936.09,129.15 937.54,127.7 938.99,129.15 945.61,129.15 947.51,127.26 947.51,114.51 855.55,22.55 643.79,22.55 ; 878.85,129.15 877.51,127.8 876.16,129.15 819.18,129.15 817.84,127.8 816.49,129.15 ; 643.79,22.55 594.04,72.3 549.41,72.3 546.87,69.76 ; 643.79,22.55 612.42,53.93 ; 643.79,22.55 644.5,22.55 ; 644.5,22.55 645,23.05 645,80 694.24,129.25 696.23,129.25 ; 546.87,29.12 553.44,22.55 708.14,22.55 814.73,129.15 816.49,129.15 ; J118.42 J118.39 ; J118.39 546.87,59.6 ; v1(554.29,36.24) 554.29,37.79 550.26,41.82 549.41,41.82
  Bottom w0.5: v1(551.66,36.35) 554.18,36.35 v1(554.29,36.24)
SECONDARY_GND: